# Altium PCB Meter013.PcbDoc
Units mil, origin at the board's own origin, x right, y up, seen from the top; angles counter-clockwise.
Board outline 4333.07 x 2205 mil, 2 copper layers (Top Layer, Bottom Layer); 108 components, 86 nets, 347 pads, 0 vias.
Unrouted connection lines stored in the file: 9.
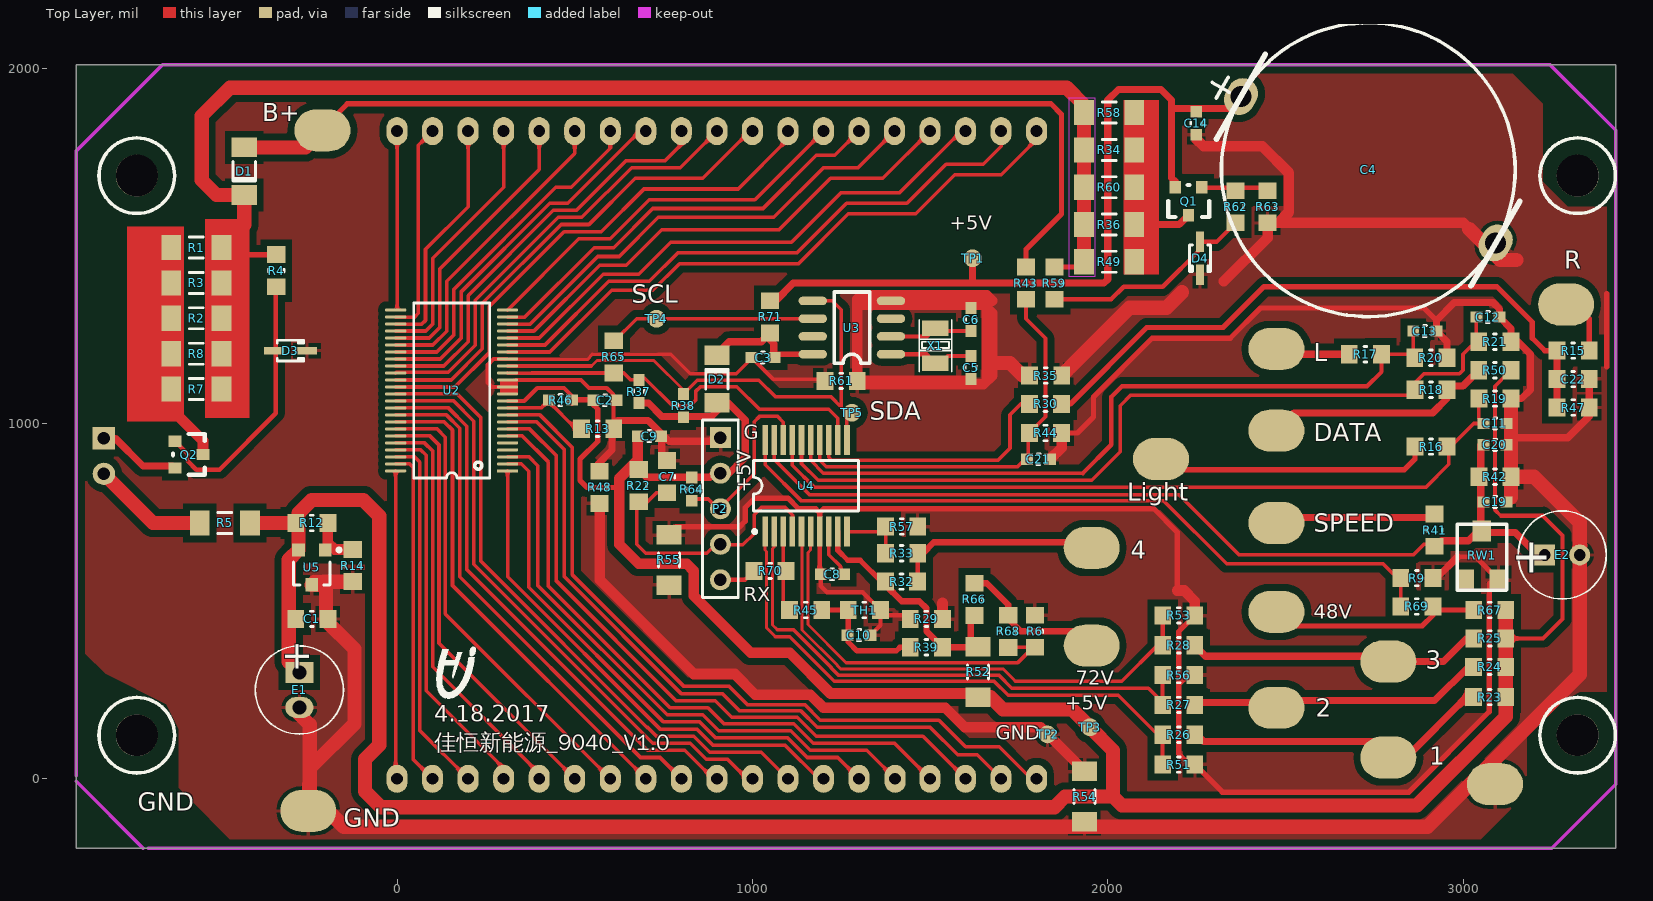
[diagram p0: Top Layer view]
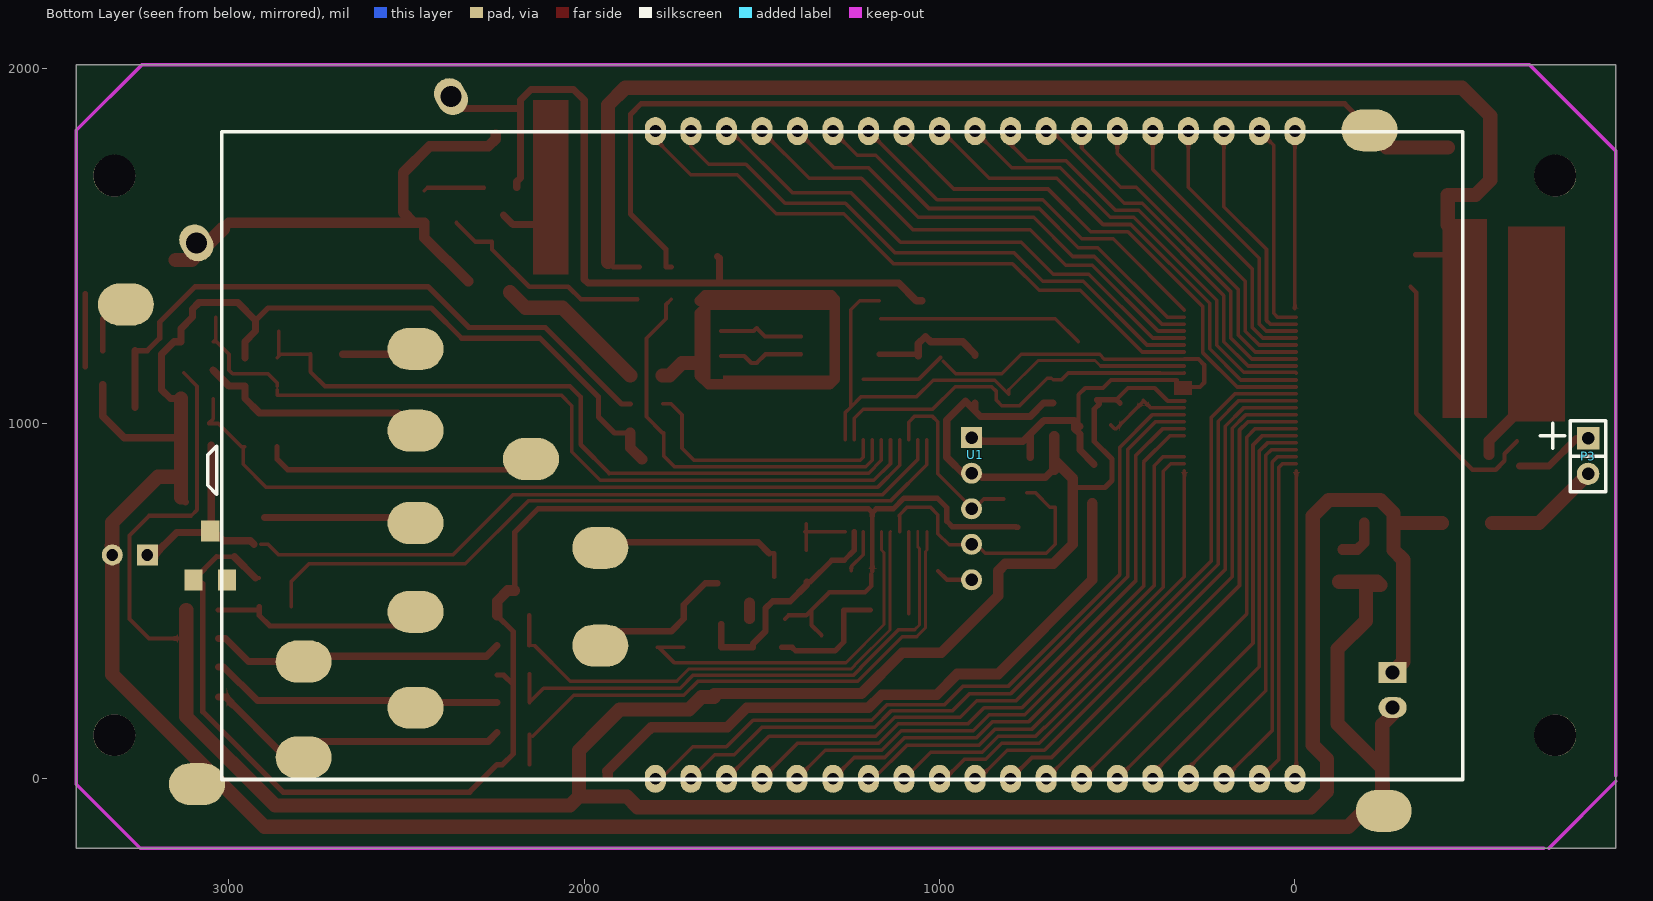
[diagram p1: Bottom Layer view, seen from below]

## Layer stack, top to bottom
Top Solder: solder mask 0.4, Solder Resist, Dk 3.5
Top Layer: signal copper 1.4
Dielectric 1: dielectric 12.6, FR-4, Dk 4.8
Bottom Layer: signal copper 1.4
Bottom Solder: solder mask 0.4, Solder Resist, Dk 3.5

## Board outline
-903.07,-195 -903.07,2010 3430,2010 3430,-195

## Design rules (kind name [scope] priority, off if disabled: settings)
Clearance Clearance_U4 [InComponent('U4') vs InComponent('U4')] p1: gap=8
Clearance ClearanceU2 [InComponent('U2') vs InComponent('U2')] p2: gap=8
Clearance Clearance_1 [InPoly] p3: gap=20
Clearance Clearance_2 [All] p4: gap=8
PolygonConnect [All] p1: connectstyle=Relief reliefconductorwidth=10 reliefentries=4 polygonreliefangle="90 Angle" airgapwidth=10
RoomDefinition Meter011 [InComponentClass('Meter011')] p1: confinementstyle=ConfineIn formatcopy=TRUE lockcomponents=FALSE outline 3475,-140 4080,-140 4080,100 3475,100
RoutingVias [All] p1: holewidth=28 width=50 viastyle="Through Hole" minholewidth=28 minwidth=50 maxholewidth=28 maxwidth=50
SolderMaskExpansion [All] p1: expansion=4
Width [All] p1: maxlimit=40 minlimit=8 preferedwidth=10
30 further rules are at their usual default settings.

## Components (designator, comment, footprint, x,y, rotation, side; value= is the part's Value field where it differs from the comment)
C1 "1nF 10V" 0805#1 -240,450 r0 top
C2 "100nF 10V" 0603#1 585,1066 r0 top
C3 "100nF 10V" 0603#1 1030,1185 r180 top
C4 "1.5F 5.5V" 1F 2375,1920 r150 top
C5 "20pF 10V" 0603#1 1614.28,1157.5 r90 top
C6 "20pF 10V" 0603#1 1615.72,1292.5 r270 top
C7 "100nF 10V" 0805#2 760,805.28 r90 top
C8 "100nF 10V" 0603#1 1225,575 r180 top
C9 "100nF 10V" 0603#1 710,965 r0 top
C10 "10nF 10V" 0603#1 1300,405 r0 top
C11 "100nF 10V" 0603#1 3090,1000.72 r0 top
C12 "1nF 10V" 0603#1 3070,1300 r0 top
C13 "100nF 10V" 0603#1 2892.5,1260.72 r0 top
C14 "100nF 10V" 0603#1 2250,1845 r270 top
C19 "100nF 10V" 0603#1 3090,780 r0 top
C20 "10nF 10V" 0603#2 3057.5,940 r0 top
C21 "100nF 10V" 0603#1 1805,900 r0 top
C22 "100nF 10V" 0805#1 3310,1125 r0 top
D1 "NI LL4148" MELF-D3516-1406 -430,1710 r270 top
D2 "NI LL4148" MELF-D3516-1406 900,1125 r90 top
D3 "BZT52C10S" SOD-323 -300,1205 r0 top (schematic designator D4)
D4 "BZM52C6V2S" SOD-323 2260,1465 r270 top
E1 "220uF 25V" RB.1/.2#1 -275,250 r270 top
E2 "47u 10V" RB.1/.2#2 3279.21,630 r0 top
P2 "Header 5" HDR1X5 910,560 r90 top
P3 "Light" sip2 -825,858.27 r90 bottom locked
Q1 "MMBT5551" SOT-23#1 2264.8,1665 r180 top
Q2 "MMBT5551" SOT-23#1 -625,949.8 r270 top
R1 "10k 250mW" 1206 -565,1495 r0 top
R2 "10k 250mW" 1206 -565,1296.02 r0 top
R3 "10k 250mW" 1206 -565,1395.51 r0 top
R4 "100k 125mW" 0805#1 -340,1430 r270 top
R5 "330R 250mW" 1206 -484.72,720 r0 top
R6 "NI 10k 125mW" 0805#1 1795,415.28 r90 top
R7 "10k 250mW" 1206 -565,1097.03 r0 top
R8 "10k 250mW" 1206 -565,1196.52 r0 top
R9 "NI 10k 125mW" 0805#1 2870,565 r0 top
R12 "10k 125mW" 0805#2 -285,720 r0 top
R13 "0 125mW" 0805#2 519.72,985 r0 top
R14 "10k 125mW" 0805#2 -125,645.28 r270 top
R15 "51k 125mW" 0805#1 3310,1205 r0 top
R16 "51k 125mW" 0805#1 2910,935 r180 top
R17 "51k 125mW" 0805#1 2725,1195 r180 top
R18 "10k 125mW" 0805#1 2910,1095 r0 top
R19 "33k 125mW" 0805#2 3045,1070 r0 top
R20 "33k 125mW" 0805#2 2864.72,1185 r0 top
R21 "NI 33k 125mW" 0805#2 3044.72,1230 r0 top
R22 "33k 125mW" 0805#2 680,780 r90 top
R23 "33k 125mW" 0805#2 3120,230 r180 top
R24 "33k 125mW" 0805#2 3120,315 r180 top
R25 "33k 125mW" 0805#2 3120.28,395 r180 top
R26 "10k 125mW" 0805#1 2200,124 r0 top
R27 "10k 125mW" 0805#1 2200,208 r0 top
R28 "10k 125mW" 0805#1 2200,376 r0 top
R29 "0 125mW" 0805#1 1489.72,450 r0 top
R30 "0 125mW" 0805#1 1825,1055 r0 top
R32 "33k 125mW" 0805#2 1374.72,555 r0 top
R33 "10k 125mW" 0805#1 1420,635 r0 top
R34 "10k 250mW" 1206 2004.13,1770 r180 top
R35 "0 125mW" 0805#1 1825.21,1135 r180 top
R36 "10k 250mW" 1206 2004.13,1560 r180 top
R37 "4.7k 100mW" 0603#1 680,1090 r90 top
R38 "4.7k 100mW" 0603#1 805,1050 r90 top
R39 "10k 125mW 1%" 0805#1 1489.72,370 r0 top
R41 "200k 125mW 1%" 0805#1 2920,700 r90 top
R42 "10k 125mW 1%" 0805#1 3090,850 r0 top
R43 "200k 125mW 1%" 0805#1 1770,1395 r90 top
R44 "10k 125mW 1%" 0805#1 1825,973.28 r0 top
R45 "10k 125mW" 0805#2 1104.72,475 r0 top
R46 "NC 4.7k 100mW" 0603#1 460,1065 r180 top
R47 "33k 125mW" 0805#1 3310,1045 r0 top
R48 "0 125mW" 0805#1 570,820.28 r270 top
R49 "10k 250mW" 1206 2004.13,1455 r180 top
R50 "10k 125mW" 0805#1 3089.72,1150 r180 top
R51 "NI 1k 125mW" 0805#1 2200,40 r0 top
R52 "0 250mW" 1206 1635.01,300.87 r270 top
R53 "NI 1k 125mW" 0805#1 2200,460 r0 top
R54 "0 250mW" 1206 1935,-50 r270 top
R55 "0 250mW" 1206 765.01,615.87 r270 top (schematic designator R52)
R56 "NI 1k 125mW" 0805#1 2200,292 r0 top
R57 "NI 1k 125mW" 0805#1 1420,710 r0 top
R58 "10k 250mW" 1206 2004.13,1875 r180 top
R59 "100k 125mW" 0805#1 1850,1395 r270 top
R60 "10k 250mW" 1206 2004.13,1665 r180 top
R61 "0 125mW" 0805#1 1250,1120 r0 top
R62 "1.2k 125mW" 0805#1 2360,1610 r90 top
R63 "33k 125mW" 0805#1 2450,1610 r270 top
R64 "4.7k 100mW" 0603#1 830,815 r270 top
R65 "0 125mW" 0805#1 610,1187.32 r90 top
R66 "33k 125mW" 0805#1 1625,505 r90 top
R67 "33k 125mW" 0805#1 3075.28,475 r180 top
R68 "4.7k 125mW" 0805#1 1720,415 r90 top
R69 "4.7k 125mW" 0805#1 2870,485 r0 top
R70 "0 125mW" 0805#1 1049.72,585 r180 top
R71 "0 125mW" 0805#1 1050,1300.28 r90 top
RW1 "Adj 10K" ADJRES 2962.2,639.72 r0 top
TH1 "SDNT2012X103F3450FTF" 0805#2 1360,475 r180 top
TP1 "" PCB_MarkPoint 1620,1465 r0 top
TP2 "" PCB_MarkPoint 1830.86,125 r0 top
TP3 "" PCB_MarkPoint 1950,145 r0 top
TP4 "" PCB_MarkPoint 730,1295 r0 top (schematic designator TP3)
TP5 "" PCB_MarkPoint 1280,1030 r0 top (schematic designator TP3)
U1 "LCD9040" LCD38 1800,0 r180 bottom locked
U2 "BL55072" TSSOP-48 311.02,866.54 r180 top (schematic designator U1)
U3 "BM8563EHA" SO-8 1390,1195 r180 top
U4 "STM8S003F3P6TR" SSOP20 1151.02,824.83 r0 top
U5 "TL431" SOT-23#2 -240,595 r180 top
X1 "32.768kHz" CRY3215 1515,1268.43 r0 top

## Footprints (in the part's own frame and the unit in brackets; to place one, negate y for a bottom-side part, rotate by r counter-clockwise, add the part's x,y. Pads: shape width x height; smd on the part's side, far side on the other; paste and mask are expansions set on the pad)
1F [mm]
  oval 2.2x2.7 hole 1.5: 1(0,0) 2(-21,-0.05)
  silkscreen extent -21,-10.52 2.3,10.48
0603#1 [mm] "Chip Capacitor, 2-Leads, Body 1.6x0.9mm, IPC Medium Density"
  rect 0.85x0.8 smd: 1(-0.826,-0.018) 2(0.826,-0.018)
  silkscreen extent -0.1,-0.42 0.12,0.38, body extent -0.8,-0.42 0.8,0.43, height 0.45
0603#2 [mm]
  rect 0.85x0.8 smd: 1(0,0) 2(1.651,0)
  silkscreen extent 0.73,-0.4 0.95,0.4, body extent 0.03,-0.41 1.63,0.44, height 0.45
0805#1 [mm] "Chip Resistor, 2-Leads, Body 1.6x0.9mm, IPC Medium Density"
  rect 1.2x1.3 smd: 1(-1.15,0) 2(1.15,0)
  silkscreen extent -0.1,-0.55 0.1,0.55, body extent -0.9,-0.55 0.94,0.55, height 0.45
0805#2 [mm]
  rect 1.2x1.3 smd: 1(-0.007,0) 2(2.293,0)
  silkscreen extent 1.04,-0.55 1.24,0.55, body extent 0.24,-0.55 2.08,0.55, height 0.45
1206 [mm]
  rect 1.4x1.8 smd: 1(-1.8,0) 2(1.8,0)
  silkscreen extent -0.5,-0.75 0.5,0.75, body extent -1.65,-0.88 1.65,0.87, height 0.55
ADJRES [mm]
  rect 1.3x1.5 all layers, no hole: 1(2.3,1.475) 2(3.5,-2.025) 3(1.1,-2.025)
  silkscreen extent 0.55,-2.78 4.07,1.95
CRY3215 [mm]
  rect 1.9x1.1 smd: 1(0,0) 2(0,-2.5)
  Top Layer pour cut-out: 1.27,0 1.27,-2.032 -1.27,-2.032 -1.27,0
  silkscreen extent -1.15,-3.1 1.17,0.6
HDR1X5 [mm] "Connector; Header; 5 Position"
  round 1.5 hole 0.9: 1(0,0) 2(2.54,0) 3(5.08,0) 4(7.62,0)
  rect 1.5x1.5 hole 0.9: 5(10.16,0)
  silkscreen extent -1.27,-1.27 11.43,1.27
LCD38 [mm]
  oval 1.5x2 hole 0.85: 1(0,0) 2(2.54,0) 3(5.08,0) 4(7.62,0) 5(10.115,0) 6(12.7,0) 7(15.24,0) 8(17.78,0) 9(20.32,0) 10(22.86,0) 11(25.4,0) 12(27.94,0) 13(30.48,0) 14(33.02,0) 15(35.56,0) 16(38.1,0) 17(40.64,0) 18(43.18,0) 19(45.72,0) 20(45.72,46.3) 21(43.18,46.3) 22(40.64,46.3) 23(38.1,46.3) 24(35.56,46.3) 25(33.02,46.3) 26(30.48,46.3) 27(27.94,46.3) 28(25.4,46.3) 29(22.86,46.3) 30(20.32,46.3) 31(17.78,46.3) 32(15.24,46.3) 33(12.7,46.3) 34(10.16,46.3) 35(7.62,46.3) 36(5.08,46.3) 37(2.54,46.3) 38(0,46.3)
  silkscreen extent -31,-0.05 57.73,46.25
MELF-D3516-1406 [mm] "Metal Electrode Face (MELF) Diode; Body 3.5 x 1.7 mm (LxDia)"
  rect 1.4x1.8 smd: 1(-1.7,0) 2(1.7,0)
  silkscreen extent -0.7,-0.8 0.7,0.8
PCB_MarkPoint [mil]
  round 120 on Top Solder: 0(0,0)
  round 50 smd: 1(0,0)
RB.1/.2#1 [mm] "100uF/16V"
  rect 1.5x2 hole 1: 1(-1.25,0)
  oval 1.5x2 hole 1: 2(1.25,0)
  silkscreen extent -3.15,-3.15 3.15,3.15
RB.1/.2#2 [mm] "100uF/16V"
  rect 1.5x1.5 hole 0.85: 1(-1.25,0)
  round 1.5 hole 0.85: 2(1.25,0)
  silkscreen extent -3.15,-3.15 3.15,3.15
sip2 [mm]
  round 1.6 hole 0.9: 1(0,0)
  rect 1.6x1.6 hole 0.9: 2(2.54,0)
  silkscreen extent -1.27,-1.27 3.81,1.27
SO-8 [mil]
  oval 80x24 smd: 1(0,0) 2(0,-50) 3(0,-100) 4(0,-150) 5(220,-150) 6(220,-100) 7(220,-50) 8(220,0)
  silkscreen extent 60,-175 160,25
SOD-323 [mm] "SOD-323/SC-76; 2 Leads; Body 1.7 x 1.3 mm, (LxW)"
  rect 1.45x0.55 smd: 1(1.175,0) 2(-1.175,0)
  silkscreen extent -0.95,-0.75 0.95,0.75
SOT-23#1 [mm]
  rect 0.8x0.9 smd: 1(0,0) 2(1.9,0) 3(0.95,2)
  silkscreen extent -0.52,-0.15 2.4,2.13
SOT-23#2 [mm] "SOT-23; 3 Leads; Body 3.0 x 2.6 mm, inc. leads (LxW max)"
  rect 0.9x0.95 smd: 1(-0.95,-1.25) 2(0.95,-1.25) 3(0,1.25)
  silkscreen extent -2.08,-1.37 1.3,1.25
SSOP20 [mm] "SSOP, Plastic; 20 Leads; Body Width 5.3 mm; Pitch 0.65 mm"
  rect 0.4x2.15 smd: 1(-2.925,-3.275) 2(-2.275,-3.275) 3(-1.625,-3.275) 4(-0.975,-3.275) 5(-0.325,-3.275) 6(0.325,-3.275) 7(0.975,-3.275) 8(1.625,-3.275) 9(2.275,-3.275) 10(2.925,-3.275) 11(2.925,3.275) 12(2.275,3.275) 13(1.625,3.275) 14(0.975,3.275) 15(0.325,3.275) 16(-0.325,3.275) 17(-0.975,3.275) 18(-1.625,3.275) 19(-2.275,3.275) 20(-2.925,3.275)
  silkscreen extent -3.8,-3.4 3.75,1.8
TSSOP-48 [mil]
  rect 60x9 smd: 1(0,0)
  oval 60x9 smd: 2(0,-19.68) 3(0,-39.37) 4(0,-59.05) 5(0,-78.74) 6(0,-98.43) 7(0,-118.11) 8(0,-137.8) 9(0,-157.48) 10(0,-177.16) 11(0,-196.85) 12(0,-216.53) 13(0,-236.22) 14(0,-255.91) 15(0,-275.59) 16(0,-295.28) 17(0,-314.96) 18(0,-334.64) 19(0,-354.33) 20(0,-374.01) 21(0,-393.7) 22(0,-413.38) 23(0,-433.07) 24(0,-452.76) 25(315,-452.76) 26(315,-433.07) 27(315,-413.38) 28(315,-393.7) 29(315,-374.01) 30(315,-354.33) 31(315,-334.64) 32(315,-314.96) 33(315,-295.28) 34(315,-275.59) 35(315,-255.91) 36(315,-236.22) 37(315,-216.53) 38(315,-196.85) 39(315,-177.16) 40(315,-157.48) 41(315,-137.8) 42(315,-118.11) 43(315,-98.43) 44(315,-78.74) 45(315,-59.05) 46(315,-39.37) 47(315,-19.68) 48(315,0)
  silkscreen extent 50,-473 264,20

## Part data
C1 C2 C3 C5 C6 C7 C8 C9 C10 C11 C12 C13 C14 C19 C20 C21 C22: library part CAP, "Capacitor"
C4 E1 E2: library part ELECTRO1, "Electrolytic Capacitor"
D1 D2: library part DIODE, "Diode"
D3 D4: library part ZMM6V8, "Diode"
P2: "Header, 5-Pin"
P3: library part CON2
Q1 Q2: library part 5551, "NPN BJT"
R1 R2 R3 R7 R8 R12 R14 R34 R36 R39 R49 R58 R59 R60 R62 R63: library part Res2, "Resistor"
R4 R5 R6 R9 R13 R15 R16 R17 R18 R19 R20 R21 R22 R23 R24 R25 R26 R27 R28 R29 R30 R32 R33 R35 R37 R38 R41 R42 R43 R44 R45 R46 R47 R48 R50 R51 R52 R53 R54 R55 R56 R57 R61 R64 R65 R66 R67 R68 R69 R70 R71: library part WHLRES
RW1: library part "Res Adj2", "Variable Resistor"
TH1: library part "Res Varistor", "Varistor (Voltage-Sensitive Resistor)"
TP1 TP2 TP3 TP4 TP5: library part TEST-1
U3: library part PCF8563
U4: library part STM8S003F3P6
U5: library part TL430CLP, "Adjustable Shunt Regulator"
X1: library part XTAL2

## Free pads (board coordinates)
  oval 157.48x118.11 all layers, no hole: Pad1(-250,-90) Pad1(-210,1825) Pad1(2150,900) Pad1(2475,720) Pad2(2475,1210) Pad3(2475,980) Pad3(3290,1335) Pad4(2790,60) Pad5(2475,200) Pad6(2790,330) Pad7(3090,-15) Pad8(1955,650) Pad11(1955,375) Pad12(2475,470)
  round 118.11 hole 118.11: Pad5(-732.56,122.6) Pad5(-732.56,1697.4) Pad5(3322.56,122.6) Pad5(3322.56,1697.4)

## Nets (pads, with @x,y where several pads share a name; then routed paths per layer and width w, separated by ;. In a path a pad name is that pad's centre, name@x,y a point inside that pad or via, vN(x,y) a via of type N, cw(c..) or ccw(c..) an arc to the next point about the centre after c; other vN are vias at no path point)
+5V: C1.1 C2.1 C9.1 D2.1 E1.1 P2.4 R5.2 R12.1 R22.2 R23.1 R24.1 R25.1 R32.1 R37.1 R38.1 R39.2 R46.1 R50.1 R52.1 R52.2 R64.1 R66.1 R67.1 TP3.1 U2.11 U4.9 U5.2 | length 10641.4
  Top Layer w10: 3106.67,740 3090,756.67 3090,1105 R50.1@3127.5,1142.5
  Top Layer w12: U2.11 357.87,1063.39 394.48,1100 470,1100 R46.1@503.46,1066.54 ; 3106.67,740 3225,740 3280,685 3280,450 3225,395 R25.1
  Top Layer w15: R46.1@492.5,1057.26 501.78,1066.54 503.46,1066.54 558.52,1066.54 550,1058.02 550,1055 565,1040 565,950 515,900 515,840 535,820 625,820 ; U4.9 1240.59,642.7 1268.28,615 1303.28,615 1363.28,555 R32.1
  Top Layer w18: R32.1 1374.45,545.55 1420,500 1470,500 1490,480 1490,415 1525.28,379.72 1525.28,370 R39.2 1615,370 1615,435.55
  Top Layer w20: R22.2 701.65,848.62 880.34,848.62 P2.4@890,858.28 ; R37.1 707.5,1057.5 745,1020 885,1020 D2.1@900,1035 ; P2.4@895,853.28 928.28,853.28 980,905 980,1010 927.5,1062.5 D2.1@900,1035 ; D2.1 D2.1@900,1035
  Top Layer w30: R22.2@677.5,870.28 677.5,897.5 ; C9.1 677.5,897.5 ; R52.2@1635,240 1220,240 1105,355 995,355 835,515 835,585 815,605 680,605 625,660 625,820 625,845 677.5,897.5
  Top Layer w40: R5.2 -282.41,719.99 R12.1@-277.4,725 ; E1.1 -305,329.21 -305,616.61 U5.2 R12.1@-277.4,725 ; R52.2 1670,230 1705,195 1900,195 TP3.1 2015,80 2015,-50 ; R67.1 R25.1 3120.55,175.55 2870,-75 2040,-75 2015,-50 ; R12.1@-277.4,725 -277.4,747.6 -240,785 -95,785 -50,740 -50,95 -90,55 -90,-35 -45,-80 1850,-80 1880,-50 2015,-50
+5V_T: C3.1 C4.1 C14.1 D2.2 Q1.2 R71.1 R71.2 TP1.1 U3.8 | length 2540.3
  Top Layer w10: C3.1@1060,1190 C3.1@1065,1195
  Top Layer w15: C3.1@1065,1195 U3.8
  Top Layer w20: D2.2 900,1195 935,1230 1025,1230 1040,1245 1060,1225 C3.1@1060,1190 ; R71.2 1065.55,1345.55 1115,1395 1990,1395 2000,1405 2000,1910 2030,1940 2150,1940 2180,1910 2180,1886.68 ; 1620,1397.5 TP1.1 TP1.1@1625,1470 ; Q1.2 2190,1681.34 2180,1691.34 2180,1886.68 ; C4.1@2373.01,1886.68 2180,1886.68
+B: D1.1 pad.Pad1@-210,1825 R43.2 | length 2847.2
  Top Layer w15: pad.Pad1@-210,1830 -140,1900 1840,1900 1870,1870 1870,1590 1770,1490 1770,1440.55 R43.2@1755,1440.55
  Top Layer w40: D1.1 -258.07,1776.93 pad.Pad1@-210,1825
+B_IN: D1.2 R1.2 R2.2 R3.2 R4.1 R7.2 R8.2 R34.2 R36.2 R49.2 R58.2 R59.1 R60.2 | length 4076.1
  Top Layer w15: R1.2@-474.42,1475.28 R4.1 ; R59.1@1845,1440.28 R59.1 R49.2@1918.54,1440.28
  Top Layer w40: R7.2 R8.2 R2.2 R3.2 R1.2 -430,1559.13 D1.2 -508.07,1643.07 -550,1685 -550,1865 -470,1945 1885,1945 1933.27,1896.73 R58.2 R34.2 R60.2 R36.2 R49.2
AD_B+: C21.1 R43.1 R44.1 U4.14 | length 1153.4
  Top Layer w10: U4.14 1189.4,896.88 1208,878.28 1746.23,878.28 1776.5,908.56 R44.1@1776.5,973.28 ; R43.1@1755,1350 1770,1335 1770,1295 1825,1240 1825,1018.56 R44.1
COM0: U1.4 U2.6 | length 1793.3
  Top Layer w10: U2.6 352.59,964.97 426.02,891.54 426.02,542.27 768.28,200 875,200 920,155 1116.15,155 1171.15,100 1400,100 U1.4
COM1: U1.3 U2.7 | length 1903.4
  Top Layer w10: U2.7 372.91,984.65 448.52,909.04 448.52,556.48 785,220 895,220 942,173 1126.44,173 1179.44,120 1480,120 U1.3
COM2: U1.2 U2.8 | length 2014.9
  Top Layer w10: U2.8 393.22,1004.34 471.02,926.54 471.02,568.27 799.29,240 915,240 964,191 1136.72,191 1182.72,145 1500,145 1577.5,67.5 1632.5,67.5 U1.2
COM3: U1.1 U2.9 | length 2122.9
  Top Layer w10: U2.9 402.14,1024.02 ; 402.14,1023.71 492.5,933.34 492.5,575.07 807.57,260 935,260 986,209 1147.01,209 1191.01,165 1525,165 1600,90 1695,90 1785,0 U1.1
DATA1: C12.1 R18.1 R21.1 U4.16 | length 2339.1
  Top Layer w10: U4.16 1138.22,886.78 1185,840 1955,840 2035,920 2035,1050 2065,1080 2864.72,1080 R18.1 ; R18.1@2864.72,1105 2864.72,1114.72 2890,1140 2990,1140 3000,1150 3000,1195 3035,1230 R21.1 3037.5,1236.95 C12.1
DATA1_CN: pad.Pad3@2475,980 R18.2 R50.2 | length 660.2
  Top Layer w20: pad.Pad3@2475,980 2525,1030 2915,1030 2955.28,1070.28 R18.2 2955.28,1105 2999.45,1105 R50.2
GND: C1.2 C2.2 C3.2 C4.2 C5.1 C6.1 C7.2 C8.2 C9.2 C10.2 C11.2 C12.2 C13.2 C14.2 C19.2 C20.2 C21.2 C22.2 D3.1 D4.1 E1.2 E2.2 P2.5 pad.Pad1@-250,-90 pad.Pad7 R6.2 R9.2 R13.2 R14.2 R19.2 R20.2 R21.2 R29.1 R29.2 R35.1 R35.2 R42.2 R44.2 R47.2 R48.1 R48.2 R51.2 R53.2 R54.1 R54.2 R55.1 R55.2 R56.2 R57.2 R61.1 R61.2 R63.2 RW1.2 TH1.1 TP2.1 U2.12 U2.13 U2.14 U2.17 U3.4 U4.7 U5.3 | length 20232
  Top Layer w10: 271.5,1181.5 U2.17 ; U2.17@311.02,1181.19 536.19,1181.19 549.66,1194.66 770.34,1194.66 825.22,1139.78 954.78,1139.78 C3.2@990,1175 ; C3.2 1058.22,1125 R61.1@1215,1125
  Top Layer w12: 271.5,1181.5 255,1165 255,1115 267.24,1102.76 U2.13 ; U2.14@332.45,1122.45 517.55,1122.45 540,1100 590,1100 608.79,1081.21 608.79,995.82 R13.2@620,1007.03 ; C8.2@1189.4,584 U4.7 1189.4,740 ; C8.2 1192.5,542.5 1210,525 1310.28,525 TH1.1 ; C10.2 1360.28,432.06 TH1.1 ; R29.1@1435,450 1425,460 1375.28,460 TH1.1 ; R9.2 R9.2@2925,565 ; 2985,625 3035,625
  Top Layer w15: R55.1@780,708.28 785,708.28 785.71,709 964,709 980,725 980,763.28 1006.72,790 1100,790 1130,760 1178.18,760 1189.4,748.78 ; 1189.4,740 1189.4,748.78 ; R44.2 1915,973.28 1960,1018.28 1960,1075 2125,1240 2345,1240 2430,1325 2890,1325 2925,1290 ; 2195.28,530 2195.28,694.72 2130,760 1200.62,760 1189.4,748.78 ; R56.2 2227,292 2200,265 ; R53.2 2200,414.72 2200,265 ; 3035,625 RW1.2 3085,560 3073.91,548.91 3073.91,188.91 2847.5,-37.5 2322.78,-37.5 R51.2 2230,40 2200,70 2200,265 ; 3404.51,1159.41 3404.51,1365.4
  Top Layer w20: R48.1@565,885 605,925 605,970 620,985 R13.2@620,1007.03 ; R13.2@605,992.03 R13.2@608.79,995.82 ; R13.2@621.02,1008.28 706.72,1008.28 C9.2@745,970 ; C7.2@745,903.81 C9.2@745,970 ; P2.5@891.02,950 765,950 C9.2@745,970 ; R9.2@2925,565 2985,625 ; R20.2 2955,1230 C13.2 2925,1290 2975,1340 3085,1340 3102.5,1322.5 C12.2 3135,1266.78 R21.2 3155,1230 3190,1195 3190,1095 3165,1070 R19.2 ; C19.2 C19.2@3125.28,782.06 ; 3135.28,960 3295,960 3355.28,1020.28 R47.2 C22.2@3355.28,1109.72
  Top Layer w30: R48.2 570,560 835,295 950,295 1008,237 1163,237 1200,200 1543,200 1598,145 1810.86,145 TP2.1 R54.1 ; U3.4 1640,1345 1675,1310 1675,1170 ; R29.2 1535,495 ; 1675,1165 1675,1135 1650,1110 1310,1110 1295,1125 1295,1350 1305,1360 1660,1360 1675,1345 ; C21.2 1870.28,932.06 R44.2 ; R54.1@1934.13,10.01 R54.1@1934.13,20.87 ; 2195.28,530 2215,530 2245.28,499.72 R53.2 ; C14.2 2249.28,1800.72 2270,1780 2435,1780 2510,1705 2510,1595 2479.72,1564.72 ; 2326.93,1400 2450,1523.07 R63.2 2479.72,1564.72 ; 3017.5,1547.5 3000.28,1564.72 2479.72,1564.72
  Top Layer w40: E1.2@-280,186.57 -246.04,152.62 -246.04,5 ; pad.Pad1@-250,-90 -246.04,5 ; R14.2@-125,554.72 -231.06,554.72 U5.3 -205.79,545.79 -200,540 -200,445 -120,365 -120,155 -245,30 -246.04,5 ; 1675,1165 1670,1170 1675,1170 1725,1170 1760,1135 R35.2 ; R35.1 2060.99,1325.5 2165.5,1325.5 2209.37,1369.37 ; 3017.5,1547.5 3105,1460 3150,1460 ; C19.2@3135.28,792.06 R42.2 ; R19.2 3135.28,960 R42.2 ; -246.04,5 -246.04,-38.96 -150,-135 2900,-135 3328.43,293.43 E2.2 3328.43,721.57 3200,850 R42.2
IIC_SCL: R37.2 R65.1 R65.2 TP4.1 U2.15 U3.6 U4.12 | length 1681.1
  Top Layer w10: U2.15 311.15,1142 379.2,1142 379.24,1142.04 R65.1 637.96,1142.04 657.5,1122.5 R37.2 ; R65.2@610,1230.55 674.45,1295 TP4.1 U3.6@1165,1295 ; R37.2@685.72,1127.5 697.5,1127.5 775,1050 825,1050 840,1065 840,1090 853.78,1103.78 956.22,1103.78 1020,1040 1215,1040 1240.59,1014.41 U4.12
IIC_SDA: R38.2 TP5.1 U2.16 U3.5 U4.11 | length 1502.7
  Top Layer w8: 546.82,1161.82 562.66,1177.66 722.34,1177.66 R38.2@805.72,1094.28
  Top Layer w10: U2.16 546.82,1161.82 ; R38.2@805.72,1094.28 R38.2 845,1121.78 1018.22,1121.78 1065,1075 1221.18,1075 1250,1046.18 ; U3.5 1225,1345 1250,1320 1250,1046.18 ; U4.11 1266.18,1030 1250,1046.18
MODE1: R6.1 R68.1 U4.6 | length 1036.8
  Top Layer w8: U4.6 1163.81,643.81 1156.07,636.07 1156.07,433.93 1264,326
  Top Layer w10: 1264,326 1746,326 R6.1@1789.72,369.72 ; R68.1 R6.1@1789.72,369.72 ; R6.1 1794.72,369.72 R6.1@1789.72,369.72
MODE1_CN: pad.Pad11 R66.2 R68.2 | length 421
  Top Layer w18: R66.2 1659.72,550.28 1720,490 R68.2 1720,450 1754.72,415.28 1909.72,415.28 pad.Pad11@1950,375
MODE2: R9.1 R69.1 U4.20 | length 2065
  Top Layer w10: U4.20 1035.86,884.14 1138,782 2158,782 2335,605 2775,605 2824.72,555.28 R69.1
MODE2_CN: pad.Pad12 R67.2 R69.2 | length 608.8
  Top Layer w10: pad.Pad12 pad.Pad12@2515,430
  Top Layer w15: pad.Pad12@2515,430 2885,430 2915.28,460.28 R69.2@2915.28,475 ; R69.2 R69.2@2915.28,475 ; R67.2 R69.2@2915.28,475
NetC8_1: C8.1 U4.8 | length 124.2
  Top Layer w10: U4.8 1214.99,630.85 1248.52,597.33 C8.1@1248.52,585.55
NetC10_1: C10.1 R39.1 R45.2 TH1.2 | length 353.8
  Top Layer w15: R45.2 TH1.2 1269.72,385.28 1295,360 1405,360 1415,370 R39.1
NetD3_2: D3.2 Q2.1 R4.2 | length 756.9
  Top Layer w12: Q2.1 -590,914.8 -590,895 -565,870 -500,870 -341.26,1028.74 -341.26,1368.46 R4.2@-325,1384.72
NetD4_2: D4.2 R59.2 R62.1 | length 611.5
  Top Layer w12: R59.2 2009.72,1349.72 2045,1385 2155,1385 2260,1490 D4.2 2306.54,1511.26 R62.1
NetP3_1: P3.1 R5.1 | length 326.7
  Top Layer w40: P3.1 -686.73,720 R5.1
NetP3_2: P3.2 Q2.2 | length 224.8
  Top Layer w20: P3.2 -793.27,958.27 -715,880 Q2.2@-632.6,880
NetQ1_1: Q1.1 R62.2 R63.1 | length 171.1
  Top Layer w10: R63.1@2441.54,1663.74 R63.1
  Top Layer w12: 2282.4,1663.74 R63.1@2441.54,1663.74
NetQ1_3: Q1.3 R34.1 R36.1 R49.1 R58.1 R60.1 | length 583.3
  Top Layer w20: R49.1 R36.1 ; R58.1 R34.1 R60.1 R36.1 ; Q1.3 2201.15,1560.01 R36.1
NetQ2_3: Q2.3 R1.1 R2.1 R3.1 R7.1 R8.1 | length 619.7
  Top Layer w30: R1.1 R3.1 R2.1 R8.1 R7.1 -635.87,1040.87 -546.26,951.26 Q2.3
NetR12_2: R12.2 R14.1 U5.1 | length 123.1
  Top Layer w30: R12.2 -194.72,664.72 -175.28,645.28 R14.1@-135,645.28
NetR13_1: R13.1 R46.2 U2.10 | length 252.5
  Top Layer w10: U2.10 405.49,1043.71 R46.2 ; R46.2@427.5,1060.72 503.22,985 507.7,985 R13.1@518.52,995.82
NRST: C7.1 P2.2 R22.1 U4.4 | length 790.2
  Top Layer w10: C7.1@755,805 730,805 689.72,764.72 675,764.72 675,660 700,635 871.19,635 P2.2@891.02,654.83 ; P2.2@890,658.28 973.28,658.28 1005,690 1005,743.28 1026.54,764.83 1091.02,764.83 1112.63,743.21 U4.4
OSCI: C5.2 U3.1 X1.2 | length 243.6
  Top Layer w12: U3.1 1490,1195 X1.2 1530,1170 1550,1190 C5.2
OSCO: C6.2 U3.2 X1.1 | length 238.2
  Top Layer w12: U3.2 1491.57,1245 X1.1 1523.43,1260 C6.2
SEG0: U1.38 U2.18 | length 1737
  Top Layer w10: U2.18 430,1201.19 603.81,1375 720,1375 795,1450 1130,1450 1270,1590 1460,1590 1570,1700 1700,1700 U1.38@1800,1800
SEG1: U1.37 U2.19 | length 1663.4
  Top Layer w10: U2.19 416.33,1220.87 595.46,1400 710,1400 790,1480 1125,1480 1265,1620 1435,1620 1545,1730 1650,1730 1700,1780 U1.37
SEG2: U1.36 U2.20 | length 1530.2
  Top Layer w10: U2.20 400.56,1240.56 580,1420 680,1420 770,1510 1110,1510 1250,1650 1415,1650 1587.83,1822.83 U1.36
SEG3: U1.35 U2.21 | length 1422
  Top Layer w10: U2.21 385.24,1260.24 570,1445 645,1445 745,1545 1075,1545 1220,1690 1367.17,1690 U1.35
SEG4: U1.34 U2.22 | length 1313.9
  Top Layer w10: U2.22 374.93,1279.93 565,1470 625,1470 735,1580 1060,1580 1200,1720 1297.17,1720 U1.34
SEG5: U1.33 U2.23 | length 1205.7
  Top Layer w10: U2.23 359.61,1299.61 555,1495 610,1495 720,1605 1030,1605 1180,1755 1232.17,1755 U1.33
SEG6: U1.32 U2.24 | length 1097.6
  Top Layer w10: U2.24 511.72,1520 600,1520 710,1630 1007.17,1630 U1.32
SEG7: U1.20 U2.25 | length 499.6
  Top Layer w10: U2.25@0,1323.28 U1.20
SEG8: U1.21 U2.26 | length 597.7
  Top Layer w10: U2.26 49.61,1299.61 60,1310 60,1782.83 U1.21
SEG9: U1.22 U2.27 | length 735.7
  Top Layer w10: U2.27 69.93,1279.93 80,1290 80,1490 200,1610 U1.22 ; U1.22@178.02,1800.85 178.02,1834.54 203.47,1834.54 U1.22@207.59,1830.43
SEG10: U1.23 U2.28 | length 737.8
  Top Layer w10: U2.28 80.24,1260.24 100,1280 100,1465 300,1665 U1.23
SEG11: U1.24 U2.29 | length 805
  Top Layer w10: U2.29 90.56,1240.56 120,1270 120,1435 400,1715 U1.24
SEG12: U1.25 U2.30 | length 869.3
  Top Layer w10: U2.30 100.87,1220.87 140,1260 140,1400 500,1760 U1.25@500,1820
SEG13: U1.26 U2.31 | length 956.8
  Top Layer w10: U2.31 111.19,1201.19 160,1250 160,1378.28 446.72,1665 490,1665 600,1775 U1.26@600,1815
SEG14: U1.27 U2.32 | length 1028.6
  Top Layer w10: U2.32 121.5,1181.5 180,1240 180,1370 430,1620 480,1620 U1.27@682.83,1822.83
SEG15: U1.28 U2.33 | length 1176.1
  Top Layer w10: U2.33 131.82,1161.82 200,1230 200,1360 440,1600 505,1600 645,1740 755,1740 800,1785 U1.28
SEG16: U1.29 U2.34 | length 1260.1
  Top Layer w10: U2.34 -2.3,1143.82 143.82,1143.82 220,1220 220,1346.57 453.43,1580 520,1580 660,1720 797.17,1720 U1.29
SEG17: U1.30 U2.35 | length 1369.2
  Top Layer w10: U2.35 152.45,1122.45 240,1210 240,1338.28 461.72,1560 540,1560 670,1690 860,1690 992.83,1822.83 U1.30
SEG18: U1.31 U2.36 | length 1491.8
  Top Layer w10: U2.36 162.76,1102.76 260,1200 260,1330 470,1540 575,1540 695,1660 960,1660 1100,1800 U1.31
SEG19: U1.8 U2.37 | length 1788.9
  Top Layer w10: U2.37 169.48,1083.08 236.02,1016.54 236.02,612.27 704.14,144.14 ; 705,145 730,120 835,120 880,75 1025,75 U1.8
SEG20: U1.9 U2.38 | length 1675.3
  Top Layer w10: U2.38 159.17,1063.39 216.02,1006.54 216.02,603.98 720,100 825,100 870,55 930,55 985,0 U1.9@995,0
SEG21: U1.10 U2.39 | length 1572.6
  Top Layer w10: U2.39 144.77,1043.71 196.02,992.45 196.02,588.98 705,80 810,80 890,0 U1.10
SEG22: U1.11 U2.40 | length 1473
  Top Layer w10: U2.40 138.99,1024.02 176.02,987 176.02,568.98 685,60 740,60 U1.11
SEG23: U1.12 U2.41 | length 1376.3
  Top Layer w10: U2.41 133.22,1004.34 156.02,981.54 156.02,543.98 U1.12
SEG24: U1.13 U2.42 | length 1303.3
  Top Layer w10: U2.42 112.91,984.65 136.02,961.54 136.02,463.98 U1.13
SEG25: U1.14 U2.43 | length 1230.3
  Top Layer w10: U2.43 92.59,964.97 118.02,939.54 118.02,381.98 U1.14
SEG26: U1.15 U2.44 | length 1160.2
  Top Layer w10: U2.44 77.28,945.28 100.02,922.54 100.02,314.98 400,15 U1.15
SEG27: U1.16 U2.45 | length 1093.1
  Top Layer w10: U2.45 66.96,925.6 82.02,910.54 82.02,247.98 300,30 U1.16
SEG28: U1.17 U2.46 | length 1041.8
  Top Layer w10: U2.46 49.65,905.91 64.02,891.54 64.02,135.98 U1.17 U1.17@200,20
SEG29: U1.18 U2.47 | length 952.1
  Top Layer w10: U2.47 34.95,886.23 46.02,875.16 46.02,53.98 U1.18
SEG30: U1.19 U2.48 | length 862.6
  Top Layer w10: U1.19@-3.98,3.98 U2.48
SEG31: U1.7 U2.1 | length 1422.2
  Top Layer w10: U2.1 311.02,568.98 740,140 843.28,140 888.28,95 1091.3,95 1186.3,0 U1.7
SEG32: U1.6 U2.2 | length 1547.1
  Top Layer w10: U2.2 349.95,886.23 371.02,865.16 371.02,538.98 750,160 851.57,160 896.57,115 1099.58,115 1154.58,60 1240,60 U1.6
SEG33: U1.5 U2.3 | length 1663.7
  Top Layer w10: U2.3 371.65,905.91 396.02,881.54 396.02,543.98 760,180 860,180 905,135 1107.87,135 1162.87,80 1321.77,80 U1.5
SEG34: U2.4
SEG35: U2.5
SPEED: C19.1 C20.1 E2.1 R41.1 R42.1 RW1.1 U4.19 | length 2612.5
  Top Layer w10: U4.19 1061.45,898.55 1160,800 2200,800 2370,630 2860,630 2890,660 R41.1@2910,660
  Top Layer w15: RW1.1@3050,704.72 3050,705.55 RW1.1@3050,725
  Top Layer w20: R41.1@2930,660 2940,670 3015.28,670 RW1.1@3050,704.72 ; RW1.1@3050,705.55 3062.76,692.8 3147.2,692.8 3210,630 E2.1 ; RW1.1@3050,725 C20.1@3050,940
SPEED_CN: pad.Pad1@2475,720 R41.2 | length 431.2
  Top Layer w20: pad.Pad1@2475,720 2490,735 R41.2@2900,735
SWIM: P2.3 R64.2 U4.18 | length 530.8
  Top Layer w10: R64.2@819.28,787.5 875.78,787.5 905,758.28 1005,858.28 1005,1005 1019.83,1019.83 1071.02,1019.83 1087.04,1003.8 U4.18
TH1: P2.1 R45.1 R70.1 R70.2 U4.3 | length 335.7
  Top Layer w10: R45.1@1087.04,465 U4.3
  Top Layer w12: P2.1 979.45,560 R70.2
中速: R27.1 R56.1 U4.2 | length 1533.5
  Top Layer w8: U4.2 1061.45,652.9 1056.74,648.18 1056.74,433.26 1070,420 ; R27.1@2154.45,215.28 R27.1@2154.72,215
  Top Layer w10: 1070,420 1115,420 1221.67,313.33 1221.67,311.92 1241.59,292 1693,292 1730,255 2114.72,255 R27.1@2154.45,215.28
  Top Layer w12: R27.1@2154.45,215.28 R56.1@2154.45,295
中速_CN: pad.Pad5@2475,200 R24.2 R27.2 | length 825.9
  Top Layer w20: R27.2@2245.28,215 2480,215 2485,220 2920,220 3015,315 R24.2
低速: R26.1 R51.1 U4.1 | length 1589.1
  Top Layer w8: U4.1 1035.86,644.14 1040.07,639.93 1040.07,550.23 1039.74,549.89 1039.74,425.26 1065,400 ; R51.1@2154.45,40.28 R51.1
  Top Layer w10: 1065,400 1105,400 1230,275 1233.13,275 1234.13,274 1681,274 1720,235 2030,235 R26.1@2144.86,120.14
  Top Layer w12: R51.1@2154.45,40.28 R26.1@2154.45,125
低速_CN: pad.Pad4 R23.2 R26.2 | length 883.9
  Top Layer w20: R26.2@2245.28,130 2270.28,105 2745,105 pad.Pad4 2840,60 3010,230 R23.2
右转: C22.1 R15.1 R30.1 R30.2 R47.1 U4.13 | length 2530.5
  Top Layer w10: U4.13 1214.99,905.01 1223.72,896.28 1691.28,896.28 1725,930 1725,1025 1755,1055 R30.1
  Top Layer w15: R30.2 1895,1055 2110,1270 2325,1270 2440,1385 3095,1385 3195,1285 3195,1240 3230,1205 R15.1
  Top Layer w20: R47.1 C22.1 R15.1
右转_CN: pad.Pad3@3290,1335 R15.2 | length 166.4
  Top Layer w15: pad.Pad3@3290,1335 3355.28,1294.72 R15.2
大灯: C11.1 R16.1 R19.1 U4.17 | length 2226
  Top Layer w10: U4.17 1112.63,882.37 1175,820 2895,820 2960,885 R16.1@2960,935 ; R16.1 R16.1@2960,935 ; R19.1 3044.72,1012.78 C11.1 3030,1000 2965,935 R16.1@2960,935
大灯_CN: pad.Pad1@2150,900 R16.2 | length 774.7
  Top Layer w15: pad.Pad1@2150,900 2180,870 2835,870 2864.72,899.72 R16.2
左转: C13.1 R17.1 R20.1 U4.15 | length 2094.6
  Top Layer w10: U4.15 1163.81,896.19 1199.72,860.28 1930.28,860.28 ; R17.1 2854.45,1195 R20.1@2860,1189.45 ; C13.1 R20.1@2860,1189.45 ; R20.1 R20.1@2860,1189.45
  Top Layer w12: 1930.28,860.28 2010,940 2010,1075 2040,1105 2730,1105 2770.28,1145.28 R17.1
左转_CN: pad.Pad2 R17.2 | length 210.9
  Top Layer w20: pad.Pad2 2490,1195 R17.2
超速: R33.1 R57.1 U4.10 | length 188.9
  Top Layer w10: U4.10 R57.1@1374.72,695.89 ; R33.1@1374.72,643.28 R33.1@1374.72,643.56 ; R57.1@1374.72,718.28 R57.1 R57.1@1374.72,695.89 ; R33.1@1375,643.28 R33.1@1374.72,643.56 ; R57.1@1379.72,695.89 R57.1@1374.72,695.89 ; R33.1@1374.72,643.56 R57.1@1374.72,695.89
超速_CN: pad.Pad8 R32.2 R33.2 | length 573.8
  Top Layer w12: R32.2@1465.28,568.28 R33.2 R33.2@1480,635
  Top Layer w15: pad.Pad8@1931.82,665.5 pad.Pad8
  Top Layer w18: R33.2@1480,635 1510.5,665.5 pad.Pad8@1931.82,665.5
高速: R28.1 R53.1 U4.5 | length 1479.2
  Top Layer w8: U4.5 1140.07,694.04 1140.07,418.97 1238.67,320.37 1238.67,318.96 1248.63,309 1706,309 1740,275 ; R28.1@2140,375 R28.1@2154.72,375
  Top Layer w10: 1740,275 2040,275 R28.1@2140,375
  Top Layer w12: R28.1@2154.72,375 R28.1 R53.1
高速_CN: pad.Pad6 R25.2 R28.2 | length 854.8
  Top Layer w20: R28.2@2245.28,375 2275.28,345 2750,345 pad.Pad6@2777.5,317.5 ; pad.Pad6@2770,310 pad.Pad6@2777.5,317.5 ; pad.Pad6@2780,315 pad.Pad6@2777.5,317.5 ; R25.2 3010,395 2945,330 pad.Pad6 pad.Pad6@2777.5,317.5
pads on no net: RW1.3 TP1.0 TP2.0 TP3.0 TP4.0 TP5.0 U3.3 U3.7

## Polygon pours and split planes (outlines as drawn)
GND on Top Layer "GND" (solid, remove dead copper, pour order 8): -415,1995 3130,1995 3225,1900 3225,1680 3295,1610 3415,1610 3430,1595 3430,525 3425,250 3410,245.16 3329.68,245.16 3245,200 3215,170 3180,135 3180,5 3180,-40 3080,-140 3035,-185 1990,-185 -455,-185 -585,-55 -615,-25 -615,140 -650,210 -820,295 -895,370 -895,1075 -895,1555 -835,1615 -655,1615 -600,1670 -525,1745 -525,1910 -440,1995 -410,1995

## Keep-outs
Top Layer:
  rectangle: 1890,1415 1965,1915
Keep-Out Layer:
  lines w10: -903.07,-6.93 -715,-195 ; -903.07,8.07 -903.07,1766.93 -660,2010 3245,2010 3430,1825 3430,10 ; -700,-195 3250,-195 3430,-15 3430,1805

## Other copper
Top Layer:
  rectangle net NetQ2_3: -760,1005 -600,1555
  rectangle net +B_IN: -540,1015 -415,1575
  rectangle net GND: 290,1080 340,1120
  rectangle net GND: 1645,1120 1670,1330
  rectangle net GND: 1295,1110 1610,1135
  rectangle net GND: 1295,1320 1670,1370
  rectangle net NetQ1_3: 2045,1420 2145,1910

## Silkscreen, mask and mechanical layers (free items; w line width, h text height)
Top Overlay:
  drawing of 6 lines, arcs and shapes, not listed
  text "B+" at -380,1850 h50
  text "+5V" at 1555,1545 h40
  text "R" at 3285,1435 h50
  text "SCL" at 660,1340 h50
  text "L" at 2580,1175 h50
  text "SDA" at 1330,1010 h50
  text "G" at 975,955 h40
  text "DATA" at 2580,950 h50
  text "+5V" at 995,805 h40 r90
  text "Light" at 2055,782 h50
  text "SPEED" at 2580,695 h50
  text "4" at 2065,620 h50
  text "RX" at 975,500 h40
  text "48V" at 2580,450 h40
  text "3" at 2895,310 h50
  text "72V" at 1910,265 h40
  text "+5V" at 1880,195 h40
  text "2" at 2585,175 h50
  text "4.18.2017" at 105,145 h80
  text "GND" at 1685,110 h40
  text "佳恒新能源_9040_V1.0" at 105,65 h80
  text "1" at 2905,40 h50
  text "GND" at -730,-90 h50
  text "GND" at -150,-135 h50
Bottom Overlay:
  lines w10: -760,965 -690,965 ; -725,930 -725,1000 ; 3035,801.27 3035,936.27 3060,911.27 3060,826.27 3035,801.27
Top Solder:
  rectangle: -730,1025 -605,1535
  rectangle: -535,1020 -425,1535
  rectangle: -400,2165 -190,2555
  rectangle: 2045,1420 2140,1910
  rectangle: 1890,1420 1960,1910
Mechanical 1:
  lines w10: -903.07,-6.93 -903.07,1766.93 -660,2010 3245,2010 3430,1825 3430,-15 3250,-195 -715,-195 -903.07,-6.93

## Text inside footprints (layer, text, board x,y; h text height)
E1: Top Overlay "+" at -315,390 h80 r270
E2: Top Overlay "+" at 3135.59,580.47 h100